# Altium PCB LAY-94611_B.PcbDoc (part 6 of 16)
Units mil, origin at the board's own origin, x right, y up, seen from the top; angles counter-clockwise.
Board outline 4133.86 x 2559.05 mil, 10 copper layers (TOP, GND02, ART03, PWR04, PWR05, ART06, GND7, ART08, GND09, BOTTOM), stack 57.82 mil thick; 1104 components, 727 nets, 3774 pads, 1630 vias.
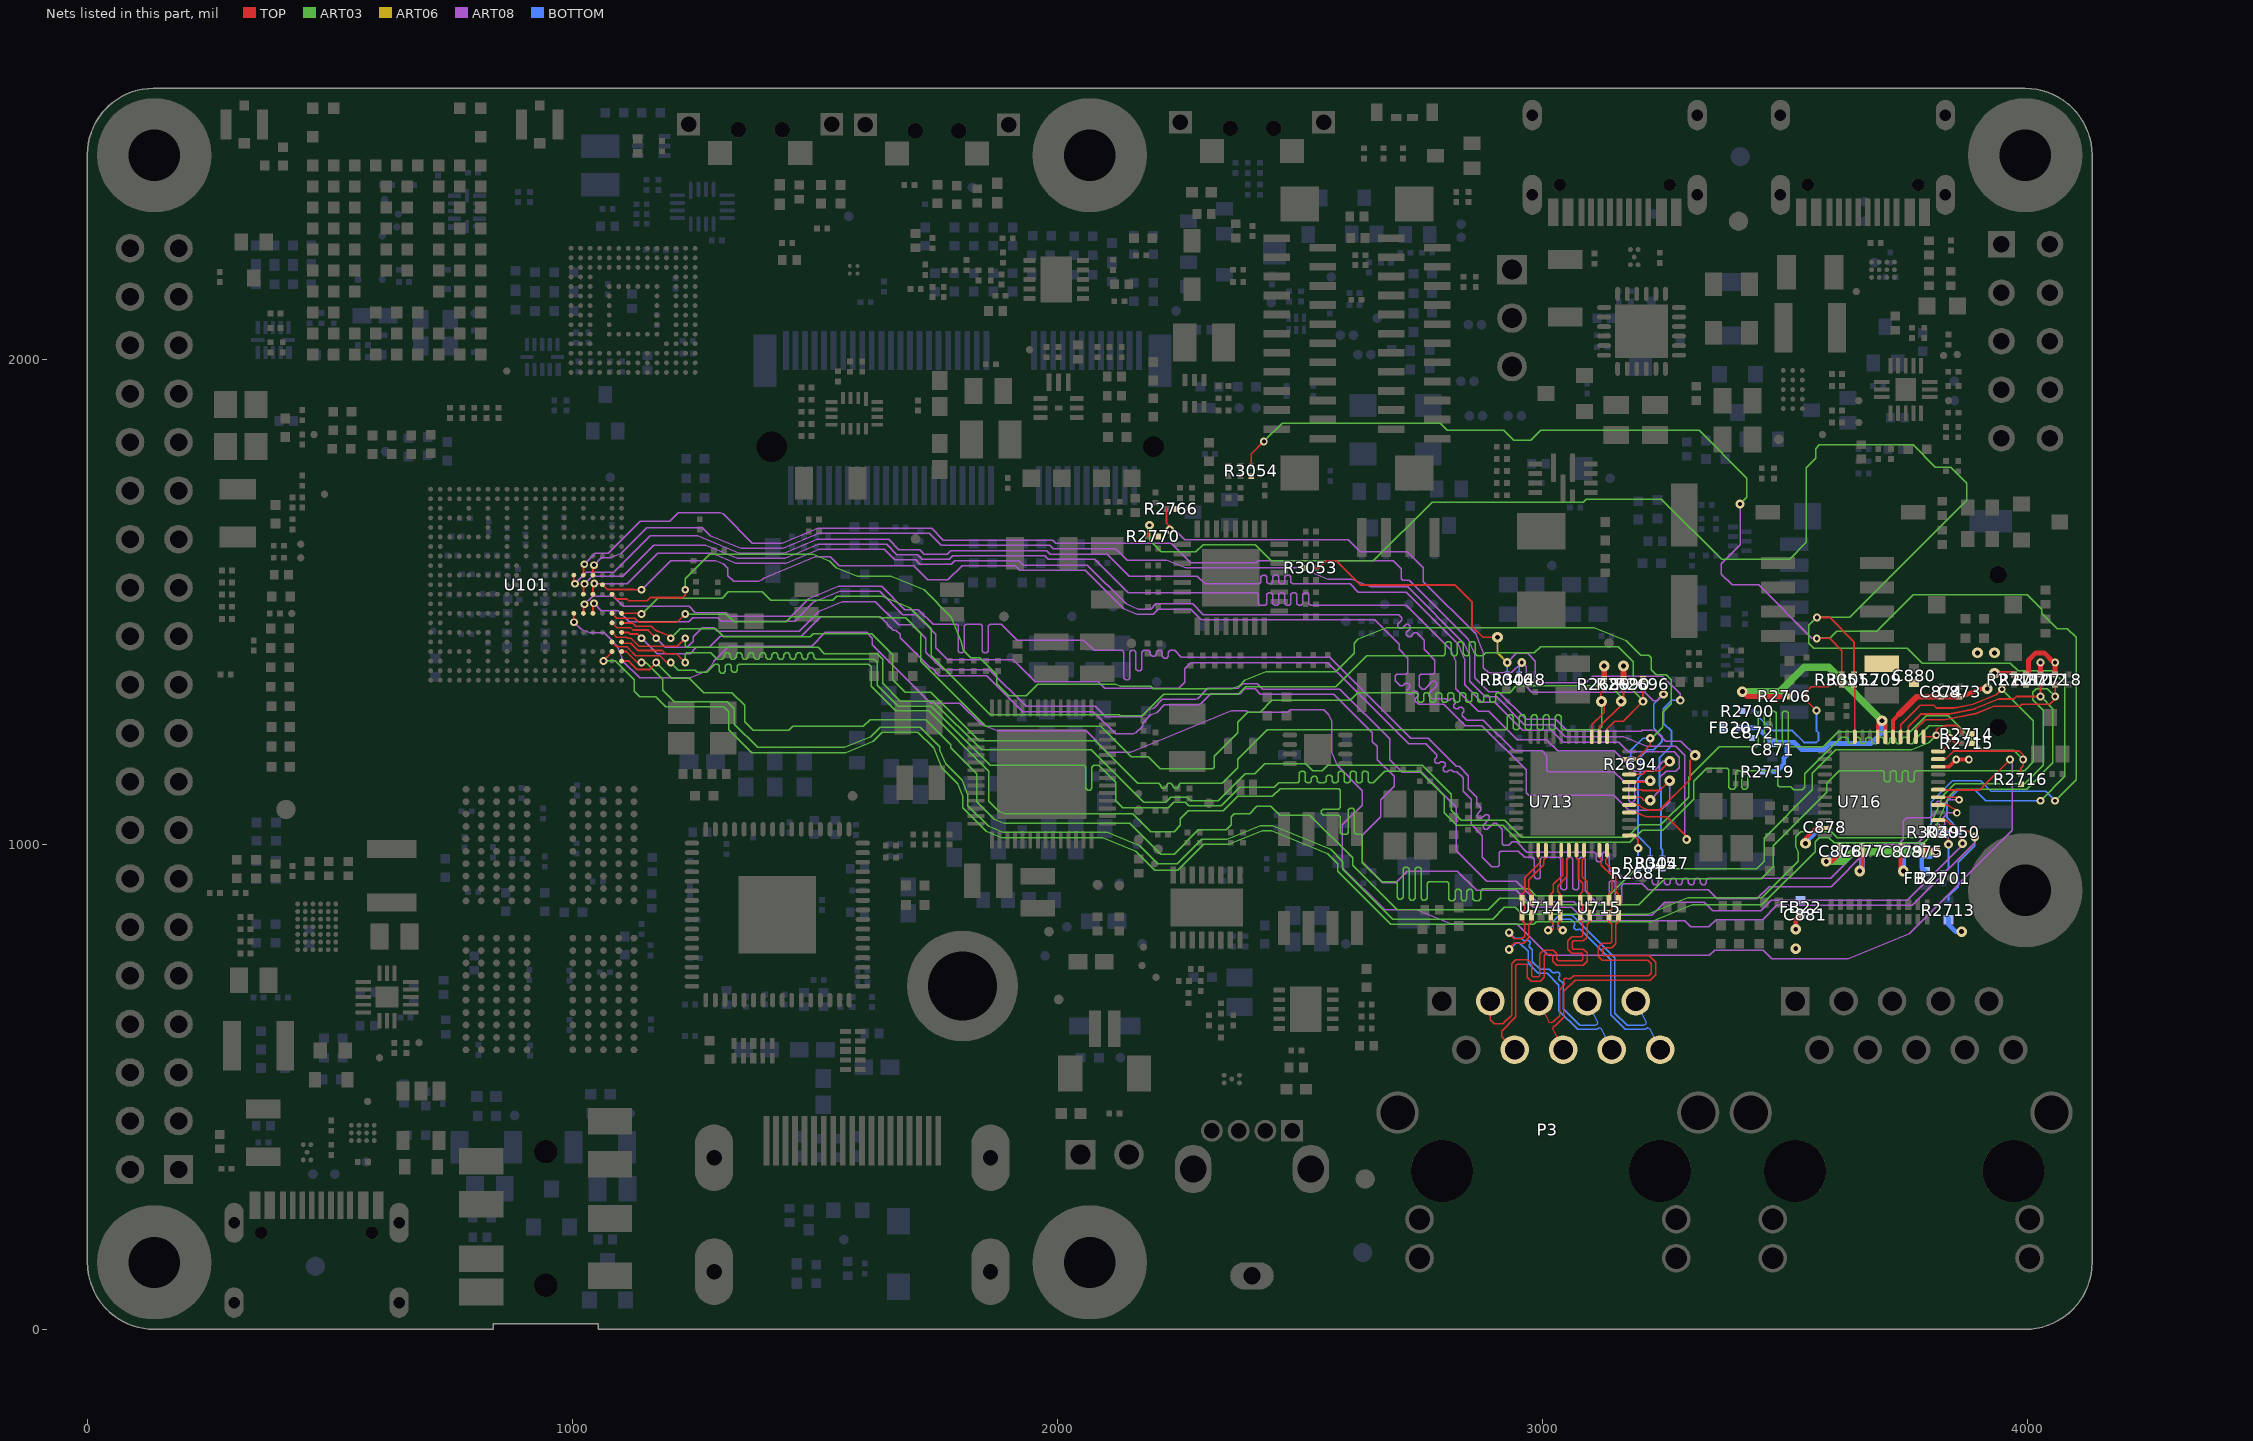
[diagram p14: the nets of this part, all layers, seen from the top]

## Via types
v1: diameter 16/16/0/0/0/0/16/0/16/16 (per signal layer), hole 8, TOP to BOTTOM, tented both sides, 177 vias
v2: diameter 22/22/0/0/0/0/22/0/22/22 (per signal layer), hole 10, TOP to BOTTOM, tented both sides, 156 vias
v3: diameter 16/0/16/0/0/0/0/0/0/16 (per signal layer), hole 8, TOP to BOTTOM, tented both sides, 137 vias
v4: diameter 16/0/0/0/0/16/0/0/0/16 (per signal layer), hole 8, TOP to BOTTOM, tented both sides, 94 vias
v5: diameter 16, hole 8, TOP to BOTTOM, tented both sides, 88 vias
v6: diameter 18/0/0/0/0/0/0/18/0/18 (per signal layer), hole 8, TOP to BOTTOM, tented both sides, 84 vias
v7: diameter 22, hole 10, TOP to BOTTOM, tented both sides, 83 vias
v8: diameter 18, hole 8.1, TOP to BOTTOM, tented both sides, 78 vias
v9: diameter 16/0/0/0/0/0/0/16/0/16 (per signal layer), hole 8, TOP to BOTTOM, tented both sides, 77 vias
v10: diameter 18/18/0/0/0/0/18/0/18/18 (per signal layer), hole 8, TOP to BOTTOM, tented both sides, 62 vias
v11: diameter 18/0/18/0/0/0/0/0/0/18 (per signal layer), hole 8, TOP to BOTTOM, tented both sides, 50 vias
v12: diameter 16/0/0/16/0/0/0/0/0/16 (per signal layer), hole 8, TOP to BOTTOM, tented both sides, 49 vias
v13: diameter 22/0/0/0/22/0/0/0/0/22 (per signal layer), hole 10, TOP to BOTTOM, tented both sides, 49 vias
v14: diameter 22/0/22/0/0/0/0/0/0/22 (per signal layer), hole 10, TOP to BOTTOM, tented both sides, 48 vias
v15: diameter 18, hole 8, TOP to BOTTOM, tented both sides, 47 vias
v16: diameter 16/0/0/0/16/0/0/0/0/16 (per signal layer), hole 8, TOP to BOTTOM, tented both sides, 40 vias
v17: diameter 22/0/0/22/0/0/0/0/0/22 (per signal layer), hole 10, TOP to BOTTOM, tented both sides, 40 vias
v18: diameter 22/0/0/0/0/0/0/22/0/22 (per signal layer), hole 10, TOP to BOTTOM, tented both sides, 31 vias
v19: diameter 22/0/0/0/0/22/0/0/0/22 (per signal layer), hole 10, TOP to BOTTOM, tented both sides, 30 vias
v20: diameter 18/0/0/0/0/18/0/0/0/18 (per signal layer), hole 8, TOP to BOTTOM, tented both sides, 27 vias
v21: diameter 16/16/16/0/0/0/0/0/0/16 (per signal layer), hole 8, TOP to BOTTOM, tented both sides, 24 vias
v22: diameter 16/0/16/0/0/16/0/0/0/16 (per signal layer), hole 8, TOP to BOTTOM, tented both sides, 14 vias
v23: diameter 22/22/0/22/0/0/22/0/22/22 (per signal layer), hole 10, TOP to BOTTOM, tented both sides, 14 vias
v24: diameter 16/16/16/0/0/0/16/0/16/16 (per signal layer), hole 8, TOP to BOTTOM, tented both sides, 11 vias
v25: diameter 18/0/0/0/0/18/0/18/0/18 (per signal layer), hole 8, TOP to BOTTOM, tented both sides, 11 vias
v26: diameter 18/0/0/18/0/0/0/0/0/18 (per signal layer), hole 8, TOP to BOTTOM, tented both sides, 11 vias
v27: diameter 18/0/0/0/18/0/0/0/0/18 (per signal layer), hole 8, TOP to BOTTOM, tented both sides, 10 vias
v28: diameter 16/0/16/0/0/0/0/16/0/16 (per signal layer), hole 8, TOP to BOTTOM, tented both sides, 8 vias
v29: diameter 16/16/0/16/0/0/16/0/16/16 (per signal layer), hole 8, TOP to BOTTOM, tented both sides, 8 vias
v30: diameter 18/18/0/18/0/0/18/0/18/18 (per signal layer), hole 8, TOP to BOTTOM, tented both sides, 6 vias
v31: diameter 22/0/0/0/22/22/0/0/0/22 (per signal layer), hole 10, TOP to BOTTOM, tented both sides, 6 vias
v32: diameter 16/0/16/16/0/0/0/0/0/16 (per signal layer), hole 8, TOP to BOTTOM, tented both sides, 5 vias
v33: diameter 18/18/0/18/18/0/18/0/18/18 (per signal layer), hole 8, TOP to BOTTOM, tented both sides, 5 vias
v34: diameter 16/0/0/0/0/16/0/16/0/16 (per signal layer), hole 8, TOP to BOTTOM, tented both sides, 4 vias
v35: diameter 22/0/22/22/0/0/0/0/0/22 (per signal layer), hole 10, TOP to BOTTOM, tented both sides, 4 vias
v36: diameter 16/0/16/16/0/16/0/0/0/16 (per signal layer), hole 8, TOP to BOTTOM, tented both sides, 3 vias
v37: diameter 22/22/0/0/22/0/22/0/22/22 (per signal layer), hole 10, TOP to BOTTOM, tented both sides, 3 vias
v38: diameter 22/0/0/22/22/22/0/0/0/22 (per signal layer), hole 10, TOP to BOTTOM, tented both sides, 3 vias
v39: diameter 22/0/22/0/0/22/0/0/0/22 (per signal layer), hole 10, TOP to BOTTOM, tented both sides, 3 vias
v40: diameter 22/0/22/0/0/0/0/22/0/22 (per signal layer), hole 10, TOP to BOTTOM, tented both sides, 3 vias
v41: diameter 16/0/16/0/16/0/0/0/0/16 (per signal layer), hole 8, TOP to BOTTOM, tented both sides, 3 vias
v42: diameter 22/22/0/22/22/0/22/0/22/22 (per signal layer), hole 10, TOP to BOTTOM, tented both sides, 2 vias
v43: diameter 18/0/18/0/0/0/0/18/0/18 (per signal layer), hole 8, TOP to BOTTOM, tented both sides, 2 vias
v44: diameter 22/0/0/22/0/22/0/0/0/22 (per signal layer), hole 10, TOP to BOTTOM, tented both sides, 2 vias
v45: diameter 22/0/0/0/0/22/0/22/0/22 (per signal layer), hole 10, TOP to BOTTOM, tented both sides, 2 vias
v46: diameter 22/0/22/0/22/0/0/0/0/22 (per signal layer), hole 10, TOP to BOTTOM, tented both sides, 2 vias
v47: diameter 22/0/0/22/22/0/0/0/0/22 (per signal layer), hole 10, TOP to BOTTOM, tented both sides, 2 vias
v48: diameter 16/0/0/16/0/16/0/0/0/16 (per signal layer), hole 8, TOP to BOTTOM, tented both sides, 1 vias
v49: diameter 18/0/18/0/0/18/0/0/0/18 (per signal layer), hole 8, TOP to BOTTOM, tented both sides, 1 vias
v50: diameter 18/18/0/0/18/0/18/0/18/18 (per signal layer), hole 8, TOP to BOTTOM, tented both sides, 1 vias
v51: diameter 16/16/0/16/16/0/16/0/16/16 (per signal layer), hole 8, TOP to BOTTOM, tented both sides, 1 vias
v52: diameter 18/0/18/0/18/0/0/0/0/18 (per signal layer), hole 8, TOP to BOTTOM, tented both sides, 1 vias
v53: diameter 18/0/0/0/18/18/0/0/0/18 (per signal layer), hole 8, TOP to BOTTOM, tented both sides, 1 vias
v54: diameter 22/0/22/0/22/22/0/22/0/22 (per signal layer), hole 10, TOP to BOTTOM, tented both sides, 1 vias
v55: diameter 22/0/0/0/22/22/0/22/0/22 (per signal layer), hole 10, TOP to BOTTOM, tented both sides, 1 vias
v56: diameter 16/16/16/0/0/0/16/0/0/16 (per signal layer), hole 8, TOP to BOTTOM, tented both sides, 1 vias
v57: diameter 22/0/0/22/0/0/0/22/0/22 (per signal layer), hole 10, TOP to BOTTOM, tented both sides, 1 vias
v58: diameter 16/0/0/0/16/16/0/0/0/16 (per signal layer), hole 8, TOP to BOTTOM, tented both sides, 1 vias
v59: diameter 16/0/0/16/16/0/0/0/0/16 (per signal layer), hole 8, TOP to BOTTOM, tented both sides, 1 vias

## Nets (pads, with @x,y where several pads share a name; then routed paths per layer and width w, separated by ;. In a path a pad name is that pad's centre, name@x,y a point inside that pad or via, vN(x,y) a via of type N, cw(c..) or ccw(c..) an arc to the next point about the centre after c; other vN are vias at no path point) (continued)
ENET1_MODE2: R2694.1 U101.Y10 U713.23 | length 2787
  TOP w3.2: U101.Y10@1081.76,1515.8 1091.59,1505.97 1112.79,1505.97 1116.24,1502.52 1154.35,1502.52 1160.83,1509
  TOP w3.62: 1160.83,1509 1227.8,1509 1232.8,1514 v3(1232.8,1525) ; U713.23@3179.53,1175.87 3193.67,1175.87 3222.84,1205.04 v11(3222.84,1218.96)
  ART03 w3.09: v3(1232.8,1525) 1232.8,1548 1282.8,1598 1496.49,1598 1531.16,1583.64 1544.32,1570.48 1587.49,1552.6 1657.55,1552.6 1725.21,1524.59 1781.2,1468.6 1802.27,1417.71 1805.8,1399.99 1821.29,1384.5 1840.5,1384.5 1875,1350 1875,1331 1900,1306 1936,1306 1960,1330 2120.34,1330 2130,1326 2193,1326 2198,1321 2360.76,1321 2368.05,1324.02 2376.19,1327.39 2386.76,1337.96 2430.31,1356 2574,1356 2612,1394 2612,1415 2619.98,1422.98 2677.97,1447 3107.41,1447 3172.94,1419.86 3202.8,1390 3220,1390 3225,1385 3225,1360 3235,1350 3255.8,1350 3265.8,1340 3265.8,1290 3248.4,1272.6 3248.4,1241.6 3225.76,1218.96 v11(3222.84,1218.96)
  BOTTOM w3.62: R2694.1@3182.8,1175.51 3182.8,1194 3207.76,1218.96 v11(3222.84,1218.96)
ENET1_NINT: R3046.1 R3047.1 R3053.2 | length 1375.2
  TOP w3.62: 2533.31,1570 2540,1570 2555,1585 2575,1585 2625,1535 2820,1535 2855,1500 2855,1450 2878,1427 v19(2907.8,1427)
  ART06 w4: v19(2907.8,1427) 2907.8,1395 v25(2927.8,1375)
  ART08 w3.09: v25(2927.8,1375) 2946.8,1394 2969.8,1394 2985.8,1378 2985.8,1343 2995.8,1333 3089.8,1333 3103.8,1347 3248,1347 3284.8,1310.2 v6(3284.8,1297)
  BOTTOM w3.62: R3046.1@2927.8,1350.51 v25(2927.8,1375) ; R3047.1@3247.8,971.53 3247.8,989 3244.8,992 3244.8,1117 3241.8,1120 3241.8,1179 3266.8,1204 3266.8,1233.2 3250,1250 3250,1280 3267,1297 v6(3284.8,1297)
ENET1_NRST: R2766.2 R3045.1 R3048.1 | length 1718.9
  TOP w3.62: 2224.95,1691.76 2224.95,1662.85 2231.8,1656 v6(2231.8,1649)
  ART08 w3.09: v6(2231.8,1649) 2241.8,1649 2262.4,1628.4 2599.6,1628.4 2624.91,1603.09 2721.71,1603.09 2754.8,1570 2754.8,1542 2862.66,1434.14 2878.8,1395.17 2878.8,1364 2889.3,1353.5 2936.3,1353.5 v6(2957.8,1375) 2966.8,1366 2966.8,1325.9 2978.7,1314 3211,1314 3229,1296 3236,1296 3249.5,1309.5 v6(3250,1309.5)
  BOTTOM w3.62: R3048.1@2952.8,1350.51 2952.8,1370 v6(2957.8,1375) ; R3045.1@3222.8,971.53 3222.8,991.5 3197.8,1016.5 3197.8,1137 3202.8,1142 3202.8,1180 3217.8,1195 3229.8,1195 3246.8,1212 3246.8,1223.2 3230,1240 3230,1289.5 v6(3250,1309.5)
ENET1_PHYAD1: R2689.1 U101.AA7 U713.28 | length 2749.3
  TOP w3.62: U101.AA7@1101.45,1456.75 1101.92,1456.28 1124.52,1456.28 1130.8,1450 1162.8,1450 1170.73,1442.07 1196.34,1431.46 v3(1202.8,1425) ; U713.28@3102.17,1221.73 3102.17,1246.37 3127.76,1271.96 3127.76,1289.04 v14(3122.3,1294.5) 3120.8,1296 3120.8,1313.24 3127.76,1320.2
  TOP w12: R2689.1@3127.76,1341.22 v2(3127.76,1368)
  ART03 w3.09: v3(1202.8,1425) 1222.3,1444.5 1295.3,1444.5 1311.8,1428 1490.81,1428 1496.81,1434 1617.51,1434 1660.8,1390.71 1660.8,1339 1686.3,1313.5 1739.49,1313.5 1838.99,1214 2078,1214 2166,1126 2209.7,1126 2213.32,1122.38 2213.32,1119.62 2216.94,1116 2222.06,1116 2225.68,1119.62 2225.68,1122.38 2229.3,1126 2234.42,1126 2238.04,1122.38 2238.04,1120.09 2242.13,1116 2246.99,1116 2250.4,1119.41 2250.4,1122.38 2254.02,1126 2339.8,1126 2372.3,1158.5 2372.3,1175.51 2432.79,1236 2924.41,1236 2928.03,1239.62 2928.03,1263.38 2931.65,1267 2936.77,1267 2940.39,1263.38 2940.39,1239.62 2944.01,1236 2949.13,1236 2952.75,1239.62 2952.75,1263.38 2956.37,1267 2961.49,1267 2965.11,1263.38 2965.11,1239.62 2968.73,1236 2973.85,1236 2977.47,1239.62 2977.47,1263.38 2981.09,1267 2986.21,1267 2989.83,1263.38 2989.83,1239.62 2993.45,1236 2998.57,1236 3002.19,1239.62 3002.19,1263.38 3005.81,1267 3010.93,1267 3014.55,1263.38 3014.55,1239.62 3018.17,1236 3023.29,1236 3026.91,1239.62 3026.91,1263.38 3030.53,1267 3035.65,1267 3039.27,1263.38 3039.27,1239.62 3042.89,1236 3115.8,1236 3122.3,1242.5 v14(3122.3,1294.5)
ENET1_PHYAD2: R2690.1 U101.Y8 U713.27 | length 2742.8
  TOP w3.2: U101.Y8@1081.76,1476.43 U101.Y8@1081.76,1476.43 1091.63,1466.5 1128.31,1466.5
  TOP w3.62: 1128.31,1466.5 1136.81,1458 1215.8,1458 v3(1232.8,1475) ; U713.27@3117.92,1221.73 3117.92,1242.26 3162.8,1287.14 v14(3162.8,1295) 3167.76,1299.96 3167.76,1320.2
  TOP w12: R2690.1@3167.76,1341.22 v2(3167.76,1368)
  ART03 w3.09: v3(1232.8,1475) 1317.8,1475 1333.6,1459.2 1440.99,1459.2 1451.19,1469.4 1632.76,1469.4 1634.96,1467.2 1687.18,1467.2 1718.81,1435.57 1718.81,1377.19 1852,1244 2089.22,1244 2153.01,1180.21 2187.59,1180.21 2212,1155.8 2320.31,1155.8 2323.4,1158.89 2323.4,1181.59 2371.8,1229.99 2371.8,1252 2392.4,1272.6 2418.11,1272.6 2442.51,1297 2604,1297 2620,1313 2739.61,1313 2743.23,1309.38 2743.23,1296.62 2746.85,1293 2751.97,1293 2755.59,1296.62 2755.59,1309.38 2759.21,1313 2764.33,1313 2767.95,1309.38 2767.95,1296.62 2771.57,1293 2776.69,1293 2780.31,1296.62 2780.31,1309.38 2783.93,1313 2789.05,1313 2792.67,1309.38 2792.67,1296.62 2796.29,1293 2801.41,1293 2805.03,1296.62 2805.03,1309.38 2808.65,1313 2813.77,1313 2817.39,1309.38 2817.39,1296.62 2821.01,1293 2826.13,1293 2829.75,1296.62 2829.75,1309.38 2833.37,1313 2838.49,1313 2842.11,1309.38 2842.11,1296.62 2845.73,1293 2850.85,1293 2854.47,1296.62 2854.47,1309.38 2858.09,1313 2863.21,1313 2866.83,1309.38 2866.83,1296.62 2870.45,1293 2875.57,1293 2879.19,1296.62 2879.19,1304.38 2882.81,1308 2887.93,1308 2891.55,1304.38 2891.55,1296.62 2895.17,1293 2900.29,1293 2903.91,1296.62 2903.91,1309.38 2907.53,1313 2932.8,1313 2946.8,1327 3139.8,1327 3162.8,1304 v14(3162.8,1295)
ENET1_RD0: R2696.1 U101.AA8 U713.26 | length 2696.5
  TOP w3.2: U101.AA8@1101.45,1476.43 1121.37,1476.43
  TOP w3.62: 1121.37,1476.43 1141.37,1476.43 v3(1142.8,1475) ; U713.26@3133.67,1221.73 3133.67,1238.23 3149.44,1254 3166.76,1254 v11(3207.76,1295) 3207.76,1320.2
  ART03 w3.09: v3(1142.8,1475) 1175.8,1508 1308.8,1508 1321.8,1521 1391.3,1521 1409.3,1503 1537.09,1503 1545.49,1511.4 1639.19,1511.4 1695.8,1488 1739.61,1444.19 1739.61,1388.9 1861.51,1267 2127.99,1267 2129.99,1265 2174.8,1265 2219.4,1309.6 2373.11,1309.6 2388.51,1325 2573.8,1325 2637.8,1389 2796.79,1389 2800.41,1392.62 2800.41,1414.38 2804.03,1418 2809.15,1418 2812.77,1414.38 2812.77,1392.62 2816.39,1389 2821.51,1389 2825.13,1392.62 2825.13,1414.38 2828.75,1418 2833.87,1418 2837.49,1414.38 2837.49,1392.62 2841.11,1389 2846.23,1389 2849.85,1392.62 2849.85,1414.38 2853.47,1418 2858.59,1418 2862.21,1414.38 2862.21,1392.62 2865.83,1389 2877.8,1389 2883.8,1395 2983.8,1395 2996.8,1408 3156.8,1408 3187.8,1377 3187.8,1317 3207.76,1297.04 v11(3207.76,1295)
ENET1_RST: R2681.2 R3045.2 R3047.2 U713.13 | length 130.9
  TOP w3.62: U713.13@3179.53,1018.39 3188.79,1018.39 3197.8,1009.38 v15(3197.8,992)
  BOTTOM w3.62: v15(3197.8,992) R2681.2@3197.8,950.51 R3045.2@3222.8,950.51 R3047.2@3247.8,950.51
ENET1_TD0: U101.W11 U713.19 | length 2810.4
  TOP w3.2: U101.W11@1062.08,1535.49 1072.02,1525.55 1127.25,1525.55 1127.8,1525
  TOP w3.62: 1127.8,1525 v9(1142.8,1525) ; U713.19@3179.53,1112.87 3204.93,1112.87 3206.68,1111.12 3242.68,1111.12 v18(3262.68,1131.12)
  ART08 w3.09: v9(1142.8,1525) 1202.8,1585 1296.14,1585 1310.92,1578.88 1320.8,1569 1320.8,1554.3 1332.8,1542.3 1383.69,1542.3 1391.21,1545.41 1394.96,1549.16 1500.79,1593 1532.06,1593 1550.76,1574.3 1704.21,1574.3 1733.11,1545.4 1774.49,1545.4 1803.49,1574.4 1913.11,1574.4 1922.11,1565.4 2057.6,1565.4 2136.64,1486.36 2164.31,1474.9 2197.7,1474.9 2207.8,1485 2274.8,1485 2296.8,1463 2654.8,1463 2704.8,1413 2704.8,1402 2722.8,1384 2722.8,1354.09 2719.71,1351 2699.89,1351 2696.8,1347.91 2696.8,1337 2706.9,1326.9 2712.02,1326.9 2717.9,1332.78 2723.02,1332.78 2726.64,1329.16 2726.64,1324.04 2720.76,1318.16 2720.76,1313.04 2724.38,1309.42 2729.5,1309.42 2735.38,1315.3 2740.5,1315.3 2744.12,1311.68 2744.12,1306.56 2738.24,1300.68 2738.24,1295.56 2745.3,1288.5 2797.3,1288.5 2840.8,1245 2875.2,1245 2966.8,1153.4 2966.8,1106 2971.8,1101 3147.8,1101 3178.8,1070 3244.8,1070 3262.68,1087.88 v18(3262.68,1131.12)
ENET1_TD1: U101.T12 U713.18 | length 2833.3
  TOP w3.62: U101.T12@1003.02,1555.18 1003.02,1539.63 v9(1005.22,1537.43) ; U713.18@3179.53,1097.13 3203.67,1097.13 3209.68,1091.12 v18(3222.68,1091.12)
  ART08 w3.09: v9(1005.22,1537.43) 1028.49,1560.7 1085.5,1560.7 1160.8,1636 1258.26,1636 1343.77,1600.58 1436.71,1600.58 1505.35,1629 1652.22,1629 1673.22,1608 1716.22,1608 1725.42,1598.8 1773.18,1598.8 1780.18,1605.8 1978.42,1605.8 1985.42,1598.8 2103,1598.8 2148.9,1552.9 2288.9,1552.9 2304.71,1537.09 2416.22,1537.09 2419.84,1540.71 2419.84,1551.38 2423.46,1555 2428.58,1555 2432.2,1551.38 2432.2,1540.71 2435.82,1537.09 2440.94,1537.09 2444.56,1540.71 2444.56,1551.38 2448.18,1555 2453.3,1555 2456.92,1551.38 2456.92,1540.71 2460.54,1537.09 2465.66,1537.09 2469.28,1540.71 2469.28,1551.38 2472.9,1555 2478.02,1555 2481.64,1551.38 2481.64,1540.71 2485.26,1537.09 2603.71,1537.09 2620.8,1520 2719.52,1520 2826.81,1412.71 2839.9,1381.1 2839.9,1328.91 2875.81,1293 2902.36,1293 2959.58,1235.78 3018.27,1235.78 3043.05,1211 3157.8,1211 3177.8,1191 3271.8,1191 3282.8,1180 3282.8,1158 3275.8,1151 3255.8,1151 3242.8,1138 3242.8,1111.24 v18(3222.68,1091.12)
ENET1_TD2: U101.U12 U713.17 | length 2845
  TOP w3.62: U101.U12@1022.71,1555.18 1022.71,1575.66 v9(1024.71,1577.66) ; U713.17@3179.53,1081.38 3198.42,1081.38 3206.92,1075.69 3217.97,1071.12 3242.68,1071.12 3304.8,1133.24 3304.8,1173 v18(3315.3,1183.5)
  ART08 w3.09: v9(1024.71,1577.66) 1047.05,1600 1073.79,1600 1139.79,1666 1200.8,1666 1218.8,1684 1305.37,1684 1311.22,1681.58 1371.4,1621.4 1432.57,1621.4 1505.95,1651.8 1741,1651.8 1765.3,1627.5 1990.3,1627.5 1996.8,1621 2235.36,1621 2275.36,1581 2409.8,1581 2413.8,1585 2692.8,1585 2709.8,1568 2709.8,1547.9 2712.9,1544.8 2726.01,1544.8 2847.61,1423.2 2860.71,1391.57 2860.71,1390.64 2860.7,1343.73 2889.43,1315 2909.8,1315 2966.8,1258 3027.9,1258 3052.9,1233 3203.8,1233 3206.5,1235.7 3231.8,1235.7 3254.5,1213 3285.8,1213 v18(3315.3,1183.5)
ENET1_TD3: U101.V12 U713.16 | length 2846.7
  TOP w3.62: U101.V12@1042.39,1555.18 1042.39,1573.61 v9(1044.63,1575.85) ; U713.16@3179.53,1065.63 3193.81,1065.63 3214.38,1057.12 3256.68,1057.12 3297.8,1016 v6(3297.8,1010)
  ART08 w3.09: v9(1044.63,1575.85) 1059.78,1591 1078.73,1591 1101.04,1600.24 1153.8,1653 1268.3,1653 1284.52,1636.78 1346.8,1610.98 1434.63,1610.98 1508.04,1641.4 1736.4,1641.4 1760.8,1617 1984.8,1617 1991.8,1610 2120.8,1610 2144.5,1586.3 2226.1,1586.3 2264.73,1570.3 2502.24,1570.3 2558.04,1547.19 2607.27,1547.19 2646.36,1531 2722.8,1531 2839.69,1414.11 2850.3,1388.5 2850.3,1336.45 2882.75,1304 2906.08,1304 2963.08,1247 3022.92,1247 3047.92,1222 3167.8,1222 3216.09,1202 3275.8,1202 3293.8,1184 3293.8,1019.66 v6(3297.8,1010)
ENET1_TRXN0: P3.8 U713.3 U714.2 U714.9 | length 621
  TOP w2.79: v15(2931.8,783) 2931.8,785.25 2942.8,796.25 2961.52,796.25 2972.64,807.37 2972.64,834.83 2978.11,840.3 U714.2@2978.11,854.17 2978.11,861.35 2972.64,866.82 2972.64,872.51 2978.11,877.98 U714.9@2978.11,884.49 2978.11,898.68 2972.64,904.15 2972.64,927.46 3003.55,958.37 3003.55,968.76 3007.68,972.89 U713.3@3007.68,988.27
  BOTTOM w2.79: v15(2931.8,783) 2946,797.2 2953.15,797.2 2971,779.34 2971,754.8 2992.02,733.78 3010.39,733.78 3034.3,709.87 3034.3,657.35 3073.27,618.38 3112.78,618.38 3114.33,619.93 3117.18,621.36 3121.54,619.92 P3.8@3143.11,576.77
ENET1_TRXN1: P3.10 U713.6 U714.5 U714.6 | length 624.5
  TOP w2.79: v15(3042.32,822.84) 3034.95,822.84 3031.7,826.09 3031.7,835.91 3037.17,841.38 U714.5@3037.17,854.17 3037.17,862.29 3031.7,867.76 3031.7,872.55 3037.17,878.02 U714.6@3037.17,884.49 3037.17,897.64 3031.7,903.11 3031.7,913.9 3050.8,933 3050.8,968 3054.93,972.13 U713.6@3054.93,988.27
  BOTTOM w2.79: v15(3042.32,822.84) 3031.72,833.44 3031.72,838.04 3038.88,845.2 3058.59,845.2 3066.66,837.13 3066.66,833.19 3065.12,831.64 3065.12,827.7 3069.08,823.74 3073.02,823.74 3074.57,825.29 3078.5,825.29 3141.3,762.49 3141.3,648.35 3171.27,618.38 3212.78,618.38 3214.36,619.96 3217.16,621.36 ; 3217.18,621.36 3221.54,619.92 P3.10@3243.11,576.77
ENET1_TRXN2: P3.4 U713.8 U715.2 U715.9 | length 735.2
  TOP w2.79: P3.4@2943.11,576.77 2916.3,603.58 2916.3,614.86 2945.85,644.41 2945.85,750.41 2948.64,753.2 2966.78,753.2 2969.57,750.41 2969.57,725.94 2977.51,718 2995.97,718 3003.91,725.94 3003.91,770.41 3006.7,773.2 3018.87,773.2 3021.66,770.41 3021.66,759.14 3029.6,751.2 3084.75,751.2 3092.69,759.14 3092.69,776.22 3084.75,784.16 3064.39,784.16 3061.6,786.95 3061.6,798.11 3064.39,800.9 3084.75,800.9 3092.69,808.84 3092.69,834.88 3098.11,840.3 U715.2@3098.11,854.17 3098.11,862.29 3092.64,867.76 3092.64,872.55 3098.11,878.02 U715.9@3098.11,884.49 3098.11,896.68 3092.64,902.15 3092.64,923.16 3082.8,933 3082.8,968 3086.42,971.62 U713.8@3086.42,988.27
ENET1_TRXN3: P3.6 U713.11 U715.5 U715.6 | length 735.6
  TOP w2.79: P3.6@3043.11,576.77 3021.52,619.95 3022.98,624.31 3028.37,626.99 3044.85,643.47 3044.85,696.67 3068.38,720.2 3223,720.2 3233.8,731 3233.8,757.22 3220.86,770.16 3127.39,770.16 3124.6,772.95 3124.6,784.11 3127.39,786.9 3143.86,786.9 3151.8,794.84 3151.8,835.01 3157.17,840.38 U715.5@3157.17,854.17 3157.17,862.29 3151.7,867.76 3151.7,872.55 3157.17,878.02 U715.6@3157.17,884.49 3157.17,897.64 3151.7,903.11 3151.7,940.1 3130.8,961 3130.8,969 3133.67,971.87 U713.11@3133.67,988.27
ENET1_TRXP0: P3.7 U713.2 U714.1 U714.10 | length 619.3
  TOP w2.79: v15(2931.8,818) 2931.8,816 2942.8,805 2957.89,805 2963.89,811 2963.89,836.91 2958.43,842.37 U714.1@2958.43,854.17 2958.43,859.29 2963.89,864.75 2963.89,872.57 2958.43,878.03 U714.10@2958.43,884.49 2958.43,897.63 2963.89,903.09 2963.89,931.09 2994.8,962 2994.8,969 2991.93,971.87 U713.2@2991.93,988.27
  BOTTOM w2.79: v15(2931.8,818) 2943.8,806 2956.8,806 2961.86,800.94 2965.8,800.94 2967.36,802.5 2971.3,802.5 2975.26,798.54 2975.26,794.6 2973.7,793.04 2973.7,789.1 2979.8,782.99 2979.8,758.45 2995.67,742.58 3014.04,742.58 3021.86,734.76 3026.48,734.76 3028.05,736.33 3032.67,736.33 3035.95,733.05 3035.95,728.43 3034.38,726.86 3034.38,722.24 3043.1,713.52 3043.1,661 3076.92,627.18 3109.15,627.18 3113.24,629.23 3114.7,633.6 P3.7@3093.11,676.77